# Altium PCB CM3_IO_V1.3_20220317.PcbDoc (part 5 of 7) (continued)
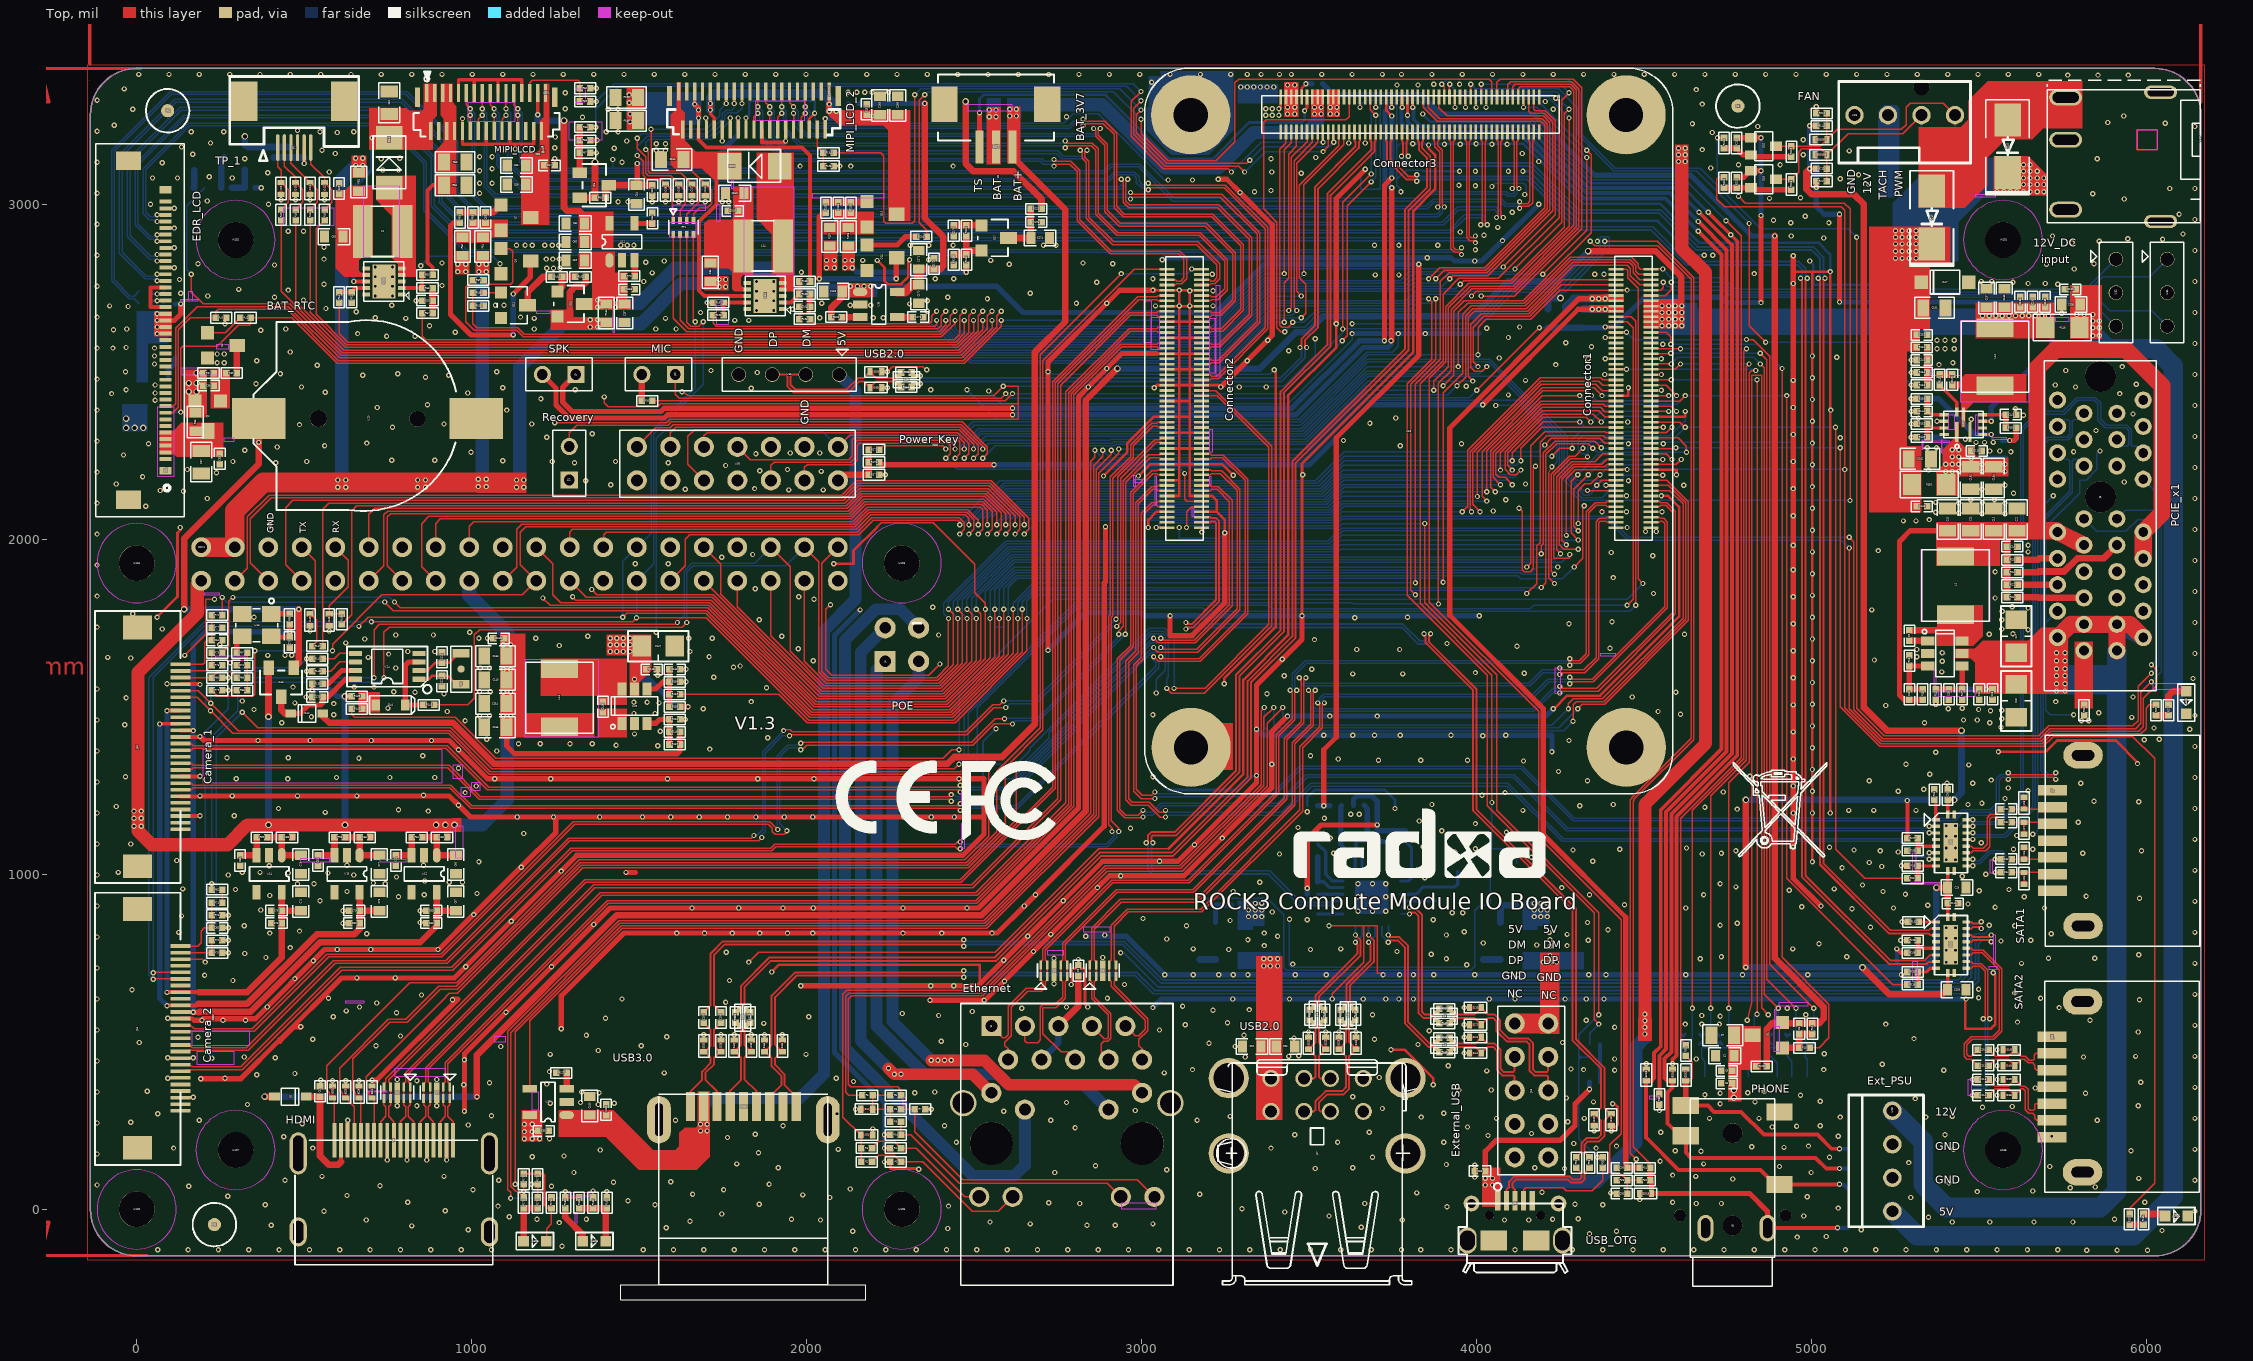
[diagram p0: Top view]
## Nets (pads, with @x,y where several pads share a name; then routed paths per layer and width w, separated by ;. In a path a pad name is that pad's centre, name@x,y a point inside that pad or via, vN(x,y) a via of type N, cw(c..) or ccw(c..) an arc to the next point about the centre after c; other vN are vias at no path point) (continued)
PHY1_LED1_G: D3.2 R2.2 R3.1 U33.17 | length 4224.6
  Top w3.94: R2.2@2163.39,141.73 R3.1@2163.39,183.07 2163.39,220.47 D3.2@2161.42,222.44 2108.27,275.59 2108.27,641.73 2120.08,653.54 2519.07,653.54 2891.11,1025.59 3113.98,1025.59 3356.3,1267.91 3356.3,1488.19 v1(3366.14,1498.03) ; v1(4287.4,1456.69) 4287.4,1505.91 4297.24,1515.75 4378.63,1515.75 4624.02,1761.14 4624.02,2108.94 4572.13,2160.83 U33.17@4520.47,2160.83
  Bottom w3.94: v1(3366.14,1498.03) 3366.14,1438.98 3375.98,1429.13 4259.84,1429.13 v1(4287.4,1456.69)
PHY1_LED2_Y: R5.1 U33.15 | length 4039
  Top w3.94: R5.1@2281.5,340.55 2281.5,356.3 2271.65,366.14 2131.89,366.14 2124.02,374.02 2124.02,627.95 2133.86,637.8 2525.59,637.8 2897.64,1009.84 3120.5,1009.84 3374.02,1263.36 3374.02,1450.79 v1(3421.26,1498.03) ; v1(4273.62,1494.09) 4273.62,1509.84 4287.4,1523.62 4375.37,1523.62 4616.14,1764.4 4616.14,2105.68 4576.74,2145.08 U33.15@4520.47,2145.08
  Bottom w3.94: v1(3421.26,1498.03) 3421.26,1454.72 3431.1,1444.88 4224.41,1444.88 v1(4273.62,1494.09)
PHY1_MDI0+: J3.1 U5.1 U5.10 U33.12 | length 3097.2
  Top w3.94: J3.1@2551.18,547.24 2585.87,512.56 2593.26,512.56 2602.36,521.65 2602.36,605.96 2655.85,659.45 2696.2,659.45 2704.73,667.97 2704.73,680.12 2698.82,686.03 U5.1@2698.82,695.38 U5.10@2698.82,729.82 2698.82,739.17 2704.73,745.08 2704.73,776.88 2910.12,982.28 3138.47,982.28 3401.57,1245.39 3401.57,1416.98 3448.82,1464.23 3448.82,1543.31 v1(3442.91,1549.21) ; v1(4277.56,1643.7) 4283.46,1637.8 4305.79,1637.8 4326.77,1658.77 4326.77,2082.34 4354.08,2109.65 4385.83,2109.65 4389.76,2113.58 U33.12@4415.75,2113.58
  Bottom w3.94: v1(3442.91,1549.21) 3448.82,1555.12 3448.82,1598.43 3488.19,1637.8 4271.65,1637.8 v1(4277.56,1643.7)
PHY1_MDI0-: J3.2 U5.2 U5.9 U33.10 | length 3100.6
  Top w3.94: J3.2@2601.18,447.24 2601.18,479.21 2591.49,488.9 2591.49,498.97 2610.24,517.72 2610.24,602.7 2659.11,651.57 2699.47,651.57 2712.6,664.71 2712.6,680.12 2718.51,686.03 U5.2@2718.51,695.38 U5.9@2718.51,729.82 2718.51,739.17 2712.6,745.08 2712.6,773.62 2913.39,974.41 3141.73,974.41 3409.45,1242.13 3409.45,1413.72 3456.69,1460.97 3456.69,1543.31 v1(3462.6,1549.21) ; v1(4277.56,1624.02) 4283.46,1629.92 4309.06,1629.92 4334.65,1655.51 4334.65,2079.08 4357.34,2101.77 4385.83,2101.77 4389.76,2097.83 U33.10@4415.75,2097.83
  Bottom w3.94: v1(3462.6,1549.21) 3456.69,1555.12 3456.69,1594.49 3492.13,1629.92 4271.65,1629.92 v1(4277.56,1624.02)
PHY1_MDI1+: J3.3 U5.4 U5.7 U33.4 | length 3070.2
  Top w3.94: J3.3@2651.18,547.24 2651.18,503.94 2657.09,498.03 2688.98,498.03 2696.85,505.91 2696.85,603.99 2703.09,610.24 2740.83,610.24 2763.78,633.18 2763.78,658.99 2763.78,680.12 2757.87,686.03 U5.4@2757.87,695.38 U5.7@2757.87,729.82 2757.87,739.17 2763.78,745.08 2763.78,794.6 2886.66,917.48 2923.9,954.72 3152.25,954.72 3425.2,1227.67 3425.2,1381.55 3425.2,1404.84 3476.38,1456.02 3476.38,1580.71 v1(3470.47,1586.61) ; v1(4248.03,1596.46) 4253.94,1602.36 4322.83,1602.36 4364.17,1643.7 4364.17,2049.55 4369.15,2054.53 4385.83,2054.53 4389.76,2050.59 U33.4@4415.75,2050.59
  Bottom w3.94: v1(3470.47,1586.61) 3476.38,1580.71 3476.38,1570.87 3484.25,1562.99 4159.45,1562.99 4198.82,1602.36 4242.13,1602.36 v1(4248.03,1596.46)
PHY1_MDI1-: J3.6 U5.5 U5.6 U33.6 | length 3071.7
  Top w3.94: J3.6@2801.18,447.24 2778.58,469.85 2759.72,469.85 2704.72,524.84 2704.72,600.73 2706.36,602.36 2744.09,602.36 2771.65,629.92 2771.65,680.12 2777.56,686.03 U5.5@2777.56,695.38 U5.6@2777.56,729.82 2777.56,739.17 2771.65,745.08 2771.65,791.34 2927.17,946.85 3155.51,946.85 3433.07,1224.41 3433.07,1401.57 3484.25,1452.76 3484.25,1580.71 v1(3490.16,1586.61) ; v1(4248.03,1616.14) 4253.94,1610.24 4319.57,1610.24 4356.3,1646.96 4356.3,2052.81 4365.89,2062.4 4385.83,2062.4 4389.76,2066.34 U33.6@4415.75,2066.34
  Bottom w3.94: v1(3490.16,1586.61) 3484.25,1580.71 3484.25,1574.8 3488.19,1570.87 4155.51,1570.87 4194.88,1610.24 4242.13,1610.24 v1(4248.03,1616.14)
PHY1_MDI2+: J3.7 U6.1 U6.10 U33.11 | length 3197
  Top w3.94: J3.7@2851.18,547.24 2888.58,509.84 2895.67,509.84 2899.61,513.78 2899.61,580.71 2850.4,629.92 2850.4,680.12 2844.49,686.03 U6.1@2844.49,695.38 U6.10@2844.49,729.82 2844.49,739.17 2850.4,745.08 2850.4,839.88 2935.72,925.2 3164.06,925.2 3448.82,1209.95 3448.82,1346.12 3448.82,1393.03 3503.94,1448.14 3503.94,1543.31 v1(3498.03,1549.21) ; v1(4248.03,1541.34) 4253.94,1547.24 4362.2,1547.24 4592.52,1777.56 4592.52,2084.65 4567.52,2109.65 4549.21,2109.65 4545.28,2113.58 U33.11@4520.47,2113.58
  Bottom w3.94: v1(3498.03,1549.21) 3503.94,1543.31 3503.94,1498.03 3515.75,1486.22 4159.45,1486.22 4170.58,1486.22 4231.61,1547.24 4242.13,1547.24 v1(4248.03,1541.34)
PHY1_MDI2-: J3.8 U6.2 U6.9 U33.9 | length 3187
  Top w3.94: J3.8@2901.18,447.24 2878.58,469.85 2878.58,494.07 2886.47,501.97 2898.93,501.97 2907.48,510.52 2907.48,580.71 2907.48,583.97 2858.27,633.18 2858.27,680.12 2864.18,686.03 U6.2@2864.18,695.38 U6.9@2864.18,729.82 2864.18,739.17 2858.27,745.08 2858.27,836.61 2938.98,917.32 3167.32,917.32 3456.69,1206.69 3456.69,1389.76 3511.81,1444.88 3511.81,1543.31 v1(3517.72,1549.21) ; v1(4248.03,1561.02) 4253.94,1555.12 4358.94,1555.12 4584.65,1780.82 4584.65,2081.38 4564.26,2101.77 4549.21,2101.77 4545.28,2097.83 U33.9@4520.47,2097.83
  Bottom w3.94: v1(3517.72,1549.21) 3511.81,1543.31 3511.81,1501.97 3519.69,1494.09 4167.32,1494.09 4228.35,1555.12 4242.13,1555.12 v1(4248.03,1561.02)
PHY1_MDI3+: J3.9 U6.4 U6.7 U33.3 | length 2947.8
  Top w3.94: J3.9@2951.18,547.24 2980.71,517.72 2990.5,517.72 3009.84,537.06 3009.84,565.3 2909.45,665.69 2909.45,680.12 2903.54,686.03 U6.4@2903.54,695.38 U6.7@2903.54,729.82 2903.54,739.17 2909.45,745.08 2909.45,848.43 2956.69,895.67 3175.87,895.67 3472.44,1192.24 3472.44,1381.21 3531.5,1440.27 3531.5,1505.91 v1(3525.59,1511.81) ; v1(4277.56,1588.58) 4283.46,1582.68 4345.16,1582.68 4561.02,1798.54 4561.02,2047.92 4554.42,2054.53 4549.21,2054.53 4545.28,2050.59 U33.3@4520.47,2050.59
  Bottom w3.94: v1(3525.59,1511.81) 3531.5,1517.72 3531.5,1527.56 3541.34,1537.4 4167.32,1537.4 4212.6,1582.68 4271.65,1582.68 v1(4277.56,1588.58)
PHY1_MDI3-: J3.10 U6.5 U6.6 U33.5 | length 2986.1
  Top w3.94: J3.10@3001.18,447.24 3001.18,479.21 2991.49,488.9 2991.49,507.58 3017.72,533.8 3017.72,568.56 2917.32,668.96 2917.32,680.12 2923.23,686.03 U6.5@2923.23,695.38 U6.6@2923.23,729.82 2923.23,739.17 2917.32,745.08 2917.32,845.13 2960.29,887.8 3179.13,887.8 3480.31,1188.98 3480.31,1377.95 3539.37,1437.01 3539.37,1505.91 v1(3545.28,1511.81) ; v1(4277.56,1568.9) 4283.46,1574.8 4348.43,1574.8 4568.9,1795.28 4568.9,2051.18 4557.68,2062.4 4549.21,2062.4 4545.28,2066.34 U33.5@4520.47,2066.34
  Bottom w3.94: v1(3545.28,1511.81) 3539.37,1517.72 3539.37,1523.62 3545.28,1529.53 4171.26,1529.53 4216.54,1574.8 4271.65,1574.8 v1(4277.56,1568.9)
PI_NLED_ACTIVITY: R183.2 U33.21 | length 5900.7
  Top w3.94: v1(1116.14,33.46) 1116.14,50.63 1108.27,58.51 1108.27,531.24 1439.23,862.2 2528.34,862.2 2848.43,1182.29 2848.43,2233.57 2860.24,2245.38 v1(2860.24,2265.75) ; R183.2@1362.2,35.43 v1(1362.2,55.12) ; U33.21@4520.47,2192.32 4521.06,2190.94 v1(4555.12,2190.94)
  Bottom w3.94: v1(1116.14,33.46) 1340.55,33.46 v1(1362.2,55.12) ; v1(2860.24,2265.75) 2889.76,2236.22 3494.19,2236.22 3673.33,2415.35 4127.28,2415.35 4246.06,2296.57 4246.06,2191.62 4313.67,2124.02 4375,2124.02 4441.93,2190.94 v1(4555.12,2190.94)
PMIC_RESET_KEY: R142.1 U33.100 | length 5229.8
  Top w3.94: R142.1@641.73,1494.09 641.73,1478.35 651.57,1468.5 950.47,1468.5 1072.52,1346.46 2407.48,1346.46 2433.07,1372.05 v1(2454.72,1372.05) ; U33.100@4415.75,2806.5 4446.85,2806.5 4450.79,2802.56 4450.79,2781.5 4482.28,2750 4482.28,1881.89 v1(4496.06,1868.11)
  Bottom w3.94: v1(2454.72,1372.05) 2454.72,1541.28 2734.31,1820.87 4448.82,1820.87 v1(4496.06,1868.11)
PMW0_M0: CON1.13 U33.48 | length 4196.7
  Top w3.94: CON1.13@792.91,1876.38 748.03,1921.26 748.03,2066.93 757.87,2076.77 2127.16,2076.77 2170.47,2120.08 2528.35,2120.08 2566.93,2081.5 v1(2566.93,2043.31) ; v1(4070.87,2163.39) 4049.21,2185.04 4049.21,2259.84 4192.91,2403.54 4377.36,2403.54 4383.86,2397.05 U33.48@4415.75,2397.05
  Bottom w3.94: v1(2566.93,2043.31) 2566.93,2051.18 2627.95,2112.2 3549.39,2112.2 3600.57,2163.39 v1(4070.87,2163.39)
PMW0_M1: CON1.11 R214.2 U33.50 | length 6808.5
  Top w3.94: CON1.11@692.91,1876.38 738.19,1921.65 738.19,2072.83 750,2084.65 2123.9,2084.65 2167.21,2127.95 2531.61,2127.95 2580.71,2078.86 2580.71,2029.53 v1(2566.93,2015.75) ; v1(4055.12,2141.73) 4041.34,2155.51 4041.34,2263.78 4190.35,2412.8 U33.50@4415.75,2412.8 ; v1(4718.5,3198.82) R214.2@4738.19,3198.82 ; v1(4781.5,3023.62) 4801.18,3003.94 5096.46,3003.94 5114.17,2986.22 v1(5114.17,2116.14)
  Bottom w3.94: v1(2566.93,2015.75) 2580.71,2029.53 2580.71,2053.83 2631.21,2104.33 3552.65,2104.33 3603.83,2155.51 4041.34,2155.51 v1(4055.12,2141.73) 4281.5,2141.73 4307.09,2116.14 v1(5114.17,2116.14) ; v1(4718.5,3198.82) 4718.5,3086.61 v1(4781.5,3023.62)
PMW4: CON1.15 U33.46 | length 4208.7
  Top w3.94: CON1.15@892.91,1876.38 850.39,1918.9 850.39,2047.24 872.05,2068.9 2130.42,2068.9 2173.73,2112.2 2525.09,2112.2 2553.15,2084.14 2553.15,2029.53 v1(2539.37,2015.75) ; v1(4106.3,2163.39) 4084.65,2185.04 4066.93,2185.04 4057.09,2194.88 4057.09,2255.91 4194.88,2393.7 4369.49,2393.7 4381.89,2381.3 U33.46@4415.75,2381.3
  Bottom w3.94: v1(2539.37,2015.75) 2553.15,2029.53 2553.15,2065.75 2607.48,2120.08 3546.12,2120.08 3603.21,2177.17 4092.52,2177.17 v1(4106.3,2163.39)
PWDN_1: J14.2 R73.1 R76.2 | length 137.7
  Top w3.94: J14.2@131.1,1607.09 207.48,1607.09 R76.2@224.41,1624.02 R73.1@224.41,1661.42
PWDN_2: J15.2 R71.1 R75.2 | length 131
  Top w3.94: J15.2@131.1,766.53 223.62,766.53 R75.2@224.41,765.75 R71.1@224.41,803.15
PWM3_IR: CON1.37 R29.2 R215.2 U33.24 | length 6886.6
  Top w3.94: CON1.37@1992.91,1876.38 1992.91,1635.83 2057.87,1570.87 2393.99,1570.87 2450.79,1627.66 v1(2450.79,1763.78) ; v1(4267.72,2011.81) 4267.72,2181.1 4294.69,2208.07 U33.24@4415.75,2208.07 4416.34,2208.66 v1(4448.82,2208.66) ; R215.2@4738.19,3080.71 4722.44,3080.71 4716.54,3074.8 4716.54,3015.75 4740.16,2992.13 5088.58,2992.13 5098.43,2982.28 v1(5098.43,2208.66) 5098.43,1497.36 5206.02,1389.76 5687.68,1389.76 5717.21,1419.29 5982.28,1419.29 5998.03,1435.04 5998.03,1496.06 6007.87,1505.91 R29.2@6027.56,1505.91
  Bottom w3.94: v1(2450.79,1763.78) 2437.01,1777.56 2437.01,1814.34 2601.01,1978.35 3563.67,1978.35 3597.13,2011.81 v1(4267.72,2011.81) ; v1(4448.82,2208.66) v1(5098.43,2208.66)
PWM11: CON1.32 R137.2 U33.31 | length 7515.3
  Top w3.94: CON1.32@1692.91,1976.38 1744.09,1925.2 1744.09,1836.9 2041.62,1539.37 2407.04,1539.37 2505.91,1638.24 v1(2505.91,1763.78) ; v1(4192.91,1956.69) 4192.91,1980.31 4198.82,1986.22 4198.82,2257.87 4234.25,2293.31 4352.36,2293.31 v1(4372.05,2273.62) ; U33.31@4520.47,2271.06 4591.93,2271.06 v1(4594.49,2273.62) ; v1(5084.65,2273.62) 5084.65,1500 5202.76,1381.89 5690.94,1381.89 5720.47,1411.42 5958.66,1411.42 6023.62,1346.46 6023.62,78.74 5948.82,3.94 R137.2@5948.82,-13.78
  Bottom w3.94: v1(2505.91,1763.78) 2492.13,1777.56 2492.13,1824.92 2614.06,1946.85 4183.07,1946.85 v1(4192.91,1956.69) ; v1(4372.05,2273.62) 4374.02,2271.65 4592.52,2271.65 v1(4594.49,2273.62) v1(5084.65,2273.62)
PWRON_KEY: R143.1 U30.14 U32.1 U33.99 | length 6296.6
  Top w3.94: R143.1@887.8,1505.91 988.19,1505.91 1007.87,1525.59 1007.87,1714.57 1023.62,1730.31 1543.31,1730.31 v1(1551.18,1722.44) ; U30.14@2093.31,2275.98 2128.35,2311.02 2448.26,2311.02 2470.47,2288.81 v1(2470.47,2269.68) ; v1(3944.88,2515.75) 3944.88,2677.17 3972.44,2704.72 4141.79,2704.72 4279.59,2842.52 4462.6,2842.52 4482.28,2822.83 4482.28,2812.4 4488.19,2806.5 U33.99@4520.47,2806.5 4521.06,2807.09 v1(4555.12,2807.09)
  Bottom w3.94: v1(1551.18,1722.44) 1551.18,2301.18 1572.83,2322.83 2046.46,2322.83 U30.14@2093.31,2275.98 ; v1(2470.47,2269.68) 2469.42,2270.74 2476.38,2277.7 2476.38,2280.82 2518.39,2322.83 3479.76,2322.83 3672.67,2515.75 v1(3944.88,2515.75) ; v1(4555.12,2807.09) 4580.71,2781.5 4736.22,2781.5 4771.65,2746.06 5817.72,2746.06 U32.1@5907.87,2836.22
RESET_1: C64.1 J14.1 R72.1 R77.2 | length 232.5
  Top w3.94: J14.1@131.1,1626.78 197.64,1626.78 202.76,1631.89 202.76,1690.94 210.63,1698.82 C64.1@224.41,1698.82 R77.2@224.41,1736.22 R72.1@224.41,1773.62
RESET_2: C65.1 J15.1 R74.1 R78.2 | length 211.4
  Top w3.94: J15.1@131.1,786.22 183.07,786.22 192.12,795.28 192.12,830.71 201.96,840.55 C65.1@224.41,840.55 R78.2@224.41,877.95 R74.1@224.41,915.35
RTC_BATTERY: D43.1 TP8.1 U23.1 | length 1207
  Top w19.68: v2(141.73,1791.34) 141.73,2001.97 364.25,2224.49 v1(364.25,2289.37) U23.1@364.25,2360.24 ; D43.1@468.5,1616.14 484.25,1631.89 v1(484.25,1791.34)
  Bottom w18.5: TP8.1@364.17,2311.02 364.17,2289.45 v1(364.25,2289.37)
  Bottom w19.68: v2(141.73,1791.34) v1(484.25,1791.34)
RTCIC_32KOUT: R138.1 U24.7 | length 114.8
  Top w15.75: R138.1@555.12,1568.9 555.23,1569.01 572.95,1569.01 612.32,1608.38 U24.7@653.53,1608.38
RUN_PG: R172.2 U32.3 U33.92 | length 3989.9
  Top w3.94: R172.2@2216.54,2267.72 2228.35,2279.53 2405.51,2279.53 v1(2415.35,2269.68) ; v1(4003.94,2551.18) 4003.94,2633.86 4027.56,2657.48 4161.42,2657.48 4247.44,2743.5 U33.92@4415.75,2743.5 4416.34,2744.09 v1(4448.82,2744.09)
  Bottom w3.94: v1(2415.35,2269.68) 2496.06,2350.39 3473.91,2350.39 3674.7,2551.18 v1(4003.94,2551.18) ; v1(4448.82,2744.09) 4740.22,2744.09 4761.87,2722.44 5821.65,2722.44 U32.3@5907.87,2636.22
SARADC_IN3: CON1.26 U33.37 | length 3537
  Top w3.94: CON1.26@1392.91,1976.38 1393.7,1976.38 1393.7,2013.78 1401.57,2021.65 2151.57,2021.65 2194.88,2064.96 2454.72,2064.96 2470.47,2049.21 2470.47,2029.53 v1(2456.69,2015.75) ; v1(4224.41,2248.03) 4248.03,2271.65 v1(4285.43,2271.65) ; U33.37@4520.47,2318.31 4566.34,2318.31 v1(4582.68,2334.65)
  Bottom w3.94: v1(2456.69,2015.75) 2470.47,2029.53 2470.47,2049.89 2587.91,2167.32 3523.62,2167.32 3604.33,2248.03 v1(4224.41,2248.03) ; v1(4285.43,2271.65) 4285.43,2299.21 4307.09,2320.87 4568.9,2320.87 v1(4582.68,2334.65)
SARADC_VIN0_KEY/RECOVERY: J22.2 J24.26 | length 4274.7
  Top w3.94: J22.2@1291.34,2277.17 1291.34,2318.9 1312.99,2340.55 1586.61,2340.55 1596.46,2350.39 2464.57,2350.39 2539.37,2275.59 2539.37,2255.91 v1(2525.59,2242.13) ; v1(3899.61,2458.66) 3931.1,2490.16 3931.1,2681.1 3962.6,2712.6 4138.53,2712.6 4276.32,2850.39 4277.56,2850.39 4342.52,2915.35 4342.52,3147.64 v1(4328.74,3161.42) ; J24.26@3997.44,3320.08 3998.03,3319.49 v1(3998.03,3289.37)
  Bottom w3.94: v1(2525.59,2242.13) 2562.99,2279.53 2918.62,2279.53 2922.56,2283.46 3496.44,2283.46 3671.63,2458.66 v1(3899.61,2458.66) ; v1(3998.03,3289.37) 3998.03,3303.15 4007.87,3312.99 4177.17,3312.99 v1(4328.74,3161.42)
SARADC_VIN1_HW_ID: J24.28 R153.1 | length 2007.3
  Top w3.94: J24.28@3981.69,3320.08 3981.69,3357.68 v1(3982.28,3358.27) ; v1(4812.99,2942.91) 4812.99,2637.8 v1(4862.2,2588.58) ; v1(5297.24,2460.63) R153.1@5312.99,2460.63
  Bottom w3.94: v1(3982.28,3358.27) 3996.06,3344.49 4244.09,3344.49 4301.18,3287.4 4301.18,3208.66 4409.45,3100.39 4655.51,3100.39 v1(4812.99,2942.91) ; v1(4862.2,2588.58) 5240.16,2588.58 5277.56,2551.18 5277.56,2480.31 v1(5297.24,2460.63)
SARADC_VIN2_HP_HOOK: C35.1 J24.30 R32.1 R33.2 | length 4177.7
  Top w3.94: J24.30@3965.94,3320.08 3966.54,3319.49 v1(3966.54,3289.37) ; v1(4275.59,3257.87) 4275.59,2934.31 4105.06,2763.78 3976.38,2763.78 3907.48,2694.88 3907.48,2529.53 3858.27,2480.31 3858.27,1812.99 4185.04,1486.22 4185.04,1110.24 4431.1,864.17 4431.1,226.38 4397.64,192.91 4397.64,110.24 4401.57,106.3 4429.13,106.3 R33.2@4448.82,86.61 ; C35.1@4448.82,47.24 R33.2@4448.82,86.61 ; R32.1@4486.22,86.61 R33.2@4448.82,86.61
  Bottom w3.94: v1(3966.54,3289.37) 3966.54,3312.99 3974.41,3320.87 4212.6,3320.87 v1(4275.59,3257.87)
SATA1_ACT_LED: R27.1 R29.1 | length 37.4
  Top w19.68: R29.1@6027.56,1474.41 R27.1@6064.96,1474.41
SATA1_RXN: C33.1 U8.11 | length 203.4
  Top w3.94: U8.11@5461.02,1025.2 5461.42,1025.59 v1(5480.31,1025.59) ; v1(5547.24,1045.28) C33.1@5564.96,1045.28
  Bottom w3.94: v1(5480.31,1025.59) 5486.22,1031.5 5501.97,1031.5 5533.46,1062.99 5562.99,1062.99 5570.87,1055.12 5570.87,1037.4 5562.99,1029.53 5553.15,1029.53 5547.24,1035.43 v1(5547.24,1045.28)
SATA1_RXP: C34.1 U8.12 | length 230.2
  Top w3.94: U8.12@5461.02,1044.88 5461.42,1045.28 v1(5480.31,1045.28) ; v1(5547.24,1005.91) C34.1@5564.96,1005.91
  Bottom w3.94: v1(5480.31,1045.28) 5486.22,1039.37 5498.03,1039.37 5529.53,1070.87 5566.93,1070.87 5578.74,1059.06 5578.74,1033.46 5566.93,1021.65 5553.15,1021.65 5547.24,1015.75 v1(5547.24,1005.91)
SATA1_TXN: C32.1 U8.13 | length 203.1
  Top w3.94: U8.13@5461.02,1064.57 5461.42,1064.96 5476.38,1064.96 5482.28,1070.87 5519.69,1070.87 5531.5,1082.68 5531.5,1165.35 5537.4,1171.26 5549.21,1171.26 C32.1@5564.96,1155.51
SATA1_TXP: C31.1 U8.14 | length 200.8
  Top w3.94: U8.14@5461.02,1084.25 5461.42,1084.65 5476.38,1084.65 5482.28,1078.74 5511.81,1078.74 5523.62,1090.55 5523.62,1169.29 5533.46,1179.13 5549.21,1179.13 C31.1@5564.96,1194.88
SATA2_ACT_LED: R131.1 R137.1 | length 41.3
  Top w19.68: R137.1@5948.82,-45.28 R131.1@5990.16,-45.28
SATA2_RXN: C113.1 U22.11 | length 477.8
  Top w3.94: U22.11@5461.02,720.08 5476.38,720.08 5482.28,725.98 5502.64,725.98 5517.72,710.91 5517.72,586.61 5517.72,574.8 v1(5511.81,568.9) ; v1(5480.31,387.8) C113.1@5496.06,387.8
  Bottom w3.94: v1(5480.31,387.8) 5480.31,375.98 5488.19,368.11 5511.81,368.11 5517.72,374.02 5517.72,562.99 v1(5511.81,568.9)
SATA2_RXP: C114.1 U22.12 | length 506.6
  Top w3.94: U22.12@5461.02,739.76 5476.38,739.76 5482.28,733.86 5505.91,733.86 5525.59,714.17 5525.59,574.8 v1(5531.5,568.9) ; v1(5480.31,340.55) C114.1@5496.06,340.55
  Bottom w3.94: v1(5480.31,340.55) 5480.31,356.3 5484.25,360.24 5515.75,360.24 5525.59,370.08 5525.59,562.99 v1(5531.5,568.9)
SATA2_TXN: C112.1 U22.13 | length 512.8
  Top w3.94: U22.13@5461.02,759.45 5476.38,759.45 5482.28,765.35 5508.55,765.35 5559.06,714.85 5559.06,534.76 5540.05,515.75 5476.38,515.75 5454.72,494.09 5454.72,456.69 5462.6,448.82 5476.38,448.82 C112.1@5496.06,429.13
SATA2_TXP: C110.1 U22.14 | length 511.3
  Top w3.94: U22.14@5461.02,779.13 5476.38,779.13 5482.28,773.23 5511.81,773.23 5566.93,718.11 5566.93,531.5 5543.31,507.87 5479.64,507.87 5462.6,490.83 5462.6,462.6 5468.5,456.69 5476.38,456.69 C110.1@5496.06,476.38
SDMMC0_CLK: R11.1 U33.57 | length 2282.2
  Top w3.94: U33.57@4520.47,2475.79 4521.06,2476.38 v1(4580.71,2476.38) ; v1(4836.61,582.68) v1(4836.61,2476.38)
  Bottom w3.94: v1(4580.71,2476.38) v1(4836.61,2476.38) ; R11.1@4828.74,513.78 4828.74,574.8 v1(4836.61,582.68)
SDMMC0_CMD: CN14A1.3 ED13.1 U33.62 | length 2590.1
  Top w3.94: U33.62@4415.75,2507.28 4416.34,2507.87 v1(4446.85,2507.87) ; v1(4751.97,600.39) 4751.97,1273.62 4812.99,1334.65 4812.99,2498.03 4818.9,2503.94 v1(4832.68,2503.94)
  Bottom w3.94: v1(4446.85,2507.87) 4828.74,2507.87 v1(4832.68,2503.94) ; CN14A1.3@4724.41,395.89 4726.38,397.86 ED13.1@4726.38,482.87 4744.09,482.87 4751.97,490.75 v1(4751.97,600.39)
SDMMC0_D0: CN14A1.7 ED11.1 U33.63 | length 2523
  Top w3.94: U33.63@4520.47,2523.03 4521.06,2523.62 v1(4580.71,2523.62) ; v1(4846.46,2523.62) 4858.27,2511.81 4858.27,641.73 v1(4899.61,600.39)
  Bottom w3.94: v1(4580.71,2523.62) 4600.39,2543.31 4826.77,2543.31 v1(4846.46,2523.62) ; CN14A1.7@4897.64,395.89 4897.64,437.01 4874.02,460.63 ED11.1@4874.02,482.87 4891.73,482.87 4899.61,490.75 v1(4899.61,600.39)
SDMMC0_D1: CN14A1.8 ED10.1 U33.67 | length 2555
  Top w3.94: U33.67@4520.47,2554.53 4578.15,2554.53 v1(4578.74,2555.12) ; v1(4846.46,2555.12) 4866.14,2535.43 4866.14,687.01 v1(4952.76,600.39)
  Bottom w3.94: v1(4578.74,2555.12) v1(4846.46,2555.12) ; CN14A1.8@4940.94,395.89 4940.94,442.91 4927.17,456.69 ED10.1@4927.17,482.87 4942.91,482.87 4952.76,492.72 v1(4952.76,600.39)
SDMMC0_D2/ARMJTAG_TCK: CN14A1.1 ED15.1 U33.69 | length 2545.8
  Top w3.94: U33.69@4520.47,2570.28 4521.06,2568.9 v1(4608.27,2568.9) ; v1(4643.7,600.39) 4643.7,1190.94 4797.24,1344.49 4797.24,2561.02 v1(4805.12,2568.9)
  Bottom w3.94: v1(4608.27,2568.9) v1(4805.12,2568.9) ; CN14A1.1@4637.8,395.89 4637.79,433.07 4616.14,454.72 ED15.1@4616.14,482.87 4643.7,510.43 v1(4643.7,600.39)
SDMMC0_D3/ARMJTAG_TMS: CN14A1.2 ED14.1 U33.61 | length 2501.3
  Top w3.94: U33.61@4520.47,2507.28 4591.93,2507.28 v1(4608.27,2523.62) ; v1(4698.82,600.39) 4698.82,1234.25 4805.12,1340.55 4805.12,2515.75 v1(4812.99,2523.62)
  Bottom w3.94: v1(4608.27,2523.62) v1(4812.99,2523.62) ; CN14A1.2@4681.1,395.89 4681.1,442.91 4671.26,452.76 ED14.1@4671.26,482.87 4690.94,482.87 4698.82,490.75 v1(4698.82,600.39)
SDMMC0_DET_L: CN14A1.9 ED9.1 U33.76 | length 2720.4
  Top w3.94: U33.76@4415.75,2617.52 4416.34,2618.11 v1(4446.85,2618.11) ; v1(4805.12,2596.46) 4824.8,2596.46 4874.02,2547.24 4874.02,732.28 v1(5005.91,600.39)
  Bottom w3.94: v1(4446.85,2618.11) 4468.5,2596.46 v1(4805.12,2596.46) ; CN14A1.9@4984.25,395.89 4986.22,397.86 4986.22,448.82 4980.31,454.72 ED9.1@4980.31,482.87 5001.97,482.87 5005.91,486.81 v1(5005.91,600.39)
SDMMC_PWREN: R13.2 U33.75 | length 2573.5
  Top w3.94: U33.75@4520.47,2617.52 4565.55,2617.52 4578.74,2604.33 v1(4578.74,2582.68) ; v1(4911.42,2509.84) 4911.42,751.97 5051.18,612.2 5051.18,511.81 5021.65,482.28 R13.2@4994.09,482.28
  Bottom w3.94: v1(4578.74,2582.68) 4838.58,2582.68 v1(4911.42,2509.84)
SPI0_CSO_MO: CON1.33 U33.28 | length 3450.6
  Top w3.94: CON1.33@1792.91,1876.38 1792.91,1799.21 2044.88,1547.24 2403.78,1547.24 2492.13,1635.59 2492.13,1777.56 v1(2478.35,1791.34) ; v1(4303.15,1970.47) 4259.84,1970.47 4246.06,1984.25 4246.06,2183.07 4287.4,2224.41 4372.64,2224.41 4387.8,2239.57 U33.28@4415.75,2239.57
  Bottom w3.94: v1(2478.35,1791.34) 2478.35,1822.27 2610.8,1954.72 3576.77,1954.72 3592.52,1970.47 v1(4303.15,1970.47)
SPI0_MISO_MO: CON1.31 U33.30 | length 3446
  Top w3.94: CON1.31@1692.91,1876.38 2037.8,1531.5 2410.3,1531.5 2519.69,1640.88 2519.69,1777.56 v1(2505.91,1791.34) ; v1(4250,1956.69) 4238.19,1968.5 4238.19,2187.01 4283.46,2232.28 4352.36,2232.28 4375.39,2255.31 U33.30@4415.75,2255.31
  Bottom w3.94: v1(2505.91,1791.34) 2505.91,1827.56 2617.32,1938.98 4232.28,1938.98 v1(4250,1956.69)
SPI3_CLK_M0: CON1.23 U33.38 | length 3929.4
  Top w3.94: CON1.23@1292.91,1876.38 1342.52,1826.77 1717.71,1826.77 2028.74,1515.75 2416.82,1515.75 2547.24,1646.17 v1(2547.24,1763.78) ; v1(4149.61,1917.32) 4161.42,1929.13 4161.42,2279.53 4202.76,2320.87 4383.27,2320.87 4385.83,2318.31 U33.38@4415.75,2318.31
  Bottom w3.94: v1(2547.24,1763.78) 2547.24,1846.63 2617.94,1917.32 v1(4149.61,1917.32)
SPI3_CSO_M0: CON1.24 U33.39 | length 3543.9
  Top w3.94: CON1.24@1292.91,1976.38 1292.91,2021.65 1300.79,2029.53 2147.64,2029.53 2190.94,2072.83 2473.79,2072.83 2484.25,2062.37 v1(2484.25,2043.31) ; v1(4106.3,2234.25) 4106.3,2257.87 4198.82,2350.39 v1(4307.09,2350.39) ; U33.39@4520.47,2334.06 4521.06,2334.65 v1(4557.09,2334.65)
  Bottom w3.94: v1(2484.25,2043.31) 2484.25,2052.53 2591.17,2159.45 3529.53,2159.45 3604.33,2234.25 v1(4106.3,2234.25) ; v1(4307.09,2350.39) 4322.83,2334.65 v1(4557.09,2334.65)
SPI3_MISO_M0: CON1.21 R79.2 U33.40 | length 4906.7
  Top w3.94: R79.2@224.41,1549.21 242.13,1531.5 346.46,1531.5 352.36,1537.4 v1(352.36,1667.32) ; v1(584.65,1667.32) 584.65,1687.01 732.28,1834.65 1151.18,1834.65 CON1.21@1192.91,1876.38 1145.67,1923.62 1145.67,2021.65 1161.42,2037.4 2143.47,2037.4 2186.78,2080.71 2477.05,2080.71 2498.03,2059.73 2498.03,2029.53 v1(2484.25,2015.75) ; v1(4131.89,2234.25) 4131.89,2271.65 4194.29,2334.06 U33.40@4415.75,2334.06
  Bottom w3.94: v1(352.36,1667.32) v1(584.65,1667.32) ; v1(2484.25,2015.75) 2498.03,2029.53 2498.03,2055.18 2594.43,2151.57 3533.08,2151.57 3601.98,2220.47 4118.11,2220.47 v1(4131.89,2234.25)
SPI3_MOSI_M0: CON1.19 U33.44 | length 3690.8
  Top w3.94: CON1.19@1092.91,1876.38 1133.86,1917.32 1133.86,2029.53 1149.61,2045.28 2140.21,2045.28 2183.51,2088.58 2480.31,2088.58 2511.81,2057.09 v1(2511.81,2043.31) ; v1(4070.87,2206.69) 4070.87,2257.87 4076.77,2263.78 4076.77,2264.4 4196.23,2383.86 4363.58,2383.86 4381.89,2365.55 U33.44@4415.75,2365.55
  Bottom w3.94: v1(2511.81,2043.31) 2511.81,2057.82 2597.69,2143.7 3536.34,2143.7 3599.33,2206.69 v1(4070.87,2206.69)
SPKN_OUT: J9.2 J24.58 | length 3467.8
  Top w7.87: J24.58@3745.47,3320.08 3746.06,3319.49 v1(3746.06,3289.37)
  Top w15.75: J9.2@1211.02,2492.13 1251.97,2451.18 1251.97,2401.57 1291.34,2362.2 1574.8,2362.2 1584.65,2372.05 v1(2614.17,2372.05) ; v1(3744.09,2592.52) 3746.06,2592.52 v1(3746.06,3049.21)
  Bottom w15.75: v1(2614.17,2372.05) 3460.63,2372.05 3661.42,2572.83 3734.25,2572.83 3744.09,2582.68 v1(3744.09,2592.52) ; v1(3746.06,3049.21) 3726.38,3068.9 3726.38,3277.56 3738.19,3289.37 v1(3746.06,3289.37)
SPKP_OUT: J9.1 J24.60 | length 3393.9
  Top w7.87: J24.60@3729.72,3320.08 3729.72,3279.53 3730.31,3279.53 v1(3746.06,3263.78)
  Top w15.75: J9.1@1311.02,2492.13 1271.65,2452.76 1271.65,2409.73 1299.49,2381.89 1564.96,2381.89 1574.8,2391.73 v1(2614.17,2391.73) ; v1(3724.41,2592.52) 3724.41,3057.09 v1(3746.06,3078.74)
  Bottom w15.75: v1(2614.17,2391.73) 3448.82,2391.73 3649.61,2592.52 v1(3724.41,2592.52) ; v1(3746.06,3078.74) v1(3746.06,3263.78)
SYNC_IN: U30.8 U33.16 | length 3116.6
  Top w3.94: U30.8@1793.31,2275.98 1831.1,2238.19 2125.98,2238.19 2135.83,2248.03 2135.83,2297.24 2141.73,2303.15 2445,2303.15 2456.69,2291.45 2456.69,2255.91 v1(2442.91,2242.13) ; v1(4330.71,2145.67) 4415.16,2145.67 U33.16@4415.75,2145.08
  Bottom w3.94: v1(2442.91,2242.13) 2456.69,2255.91 2456.69,2275.39 2512.01,2330.71 3476.49,2330.71 3675.31,2529.53 4035.38,2529.53 4261.81,2303.09 4261.81,2201.66 4317.8,2145.67 v1(4330.71,2145.67)
SYNC_OUT: U30.9 U33.18 | length 2974.4
  Top w3.94: U30.9@1893.31,2175.98 1893.31,2220.47 1903.15,2230.31 2131.89,2230.31 2143.7,2242.13 2143.7,2287.4 2151.57,2295.28 2425.2,2295.28 2442.91,2277.56 v1(2442.91,2269.68) ; v1(4385.83,2161.42) 4415.16,2161.42 U33.18@4415.75,2160.83
  Bottom w3.94: v1(2442.91,2269.68) 2442.91,2283.46 2500,2340.55 3475.2,2340.55 3672.05,2537.4 4039.37,2537.4 4269.69,2307.09 4269.69,2204.92 4297.44,2177.17 4370.08,2177.17 v1(4385.83,2161.42)
TP_DET_1: J24.81 R66.1 | length 2554.3
  Top w3.94: R66.1@1354.33,3230.31 v1(1370.08,3230.31) ; v1(2998.03,3309.06) 2976.38,3287.4 2976.38,3208.66 3070.87,3114.17 3289.37,3114.17 v1(3307.09,3096.46) ; v1(3541.34,3157.48) 3556.5,3172.64 J24.81@3556.5,3216.14
  Bottom w3.94: v1(1370.08,3230.31) 1370.08,3283.46 1438.98,3352.36 2954.72,3352.36 v1(2998.03,3309.06) ; v1(3307.09,3096.46) 3368.11,3157.48 v1(3541.34,3157.48)
TP_INT_1: J24.87 RP1.7 | length 2868.8
  Top w3.94: RP1.7@1621.89,2910.6 1621.89,2653.7 1647.64,2627.95 2391.79,2627.95 2401.57,2637.74 2401.57,2667.32 v1(2415.35,2681.1) ; v1(3462.6,2683.07) 3454.72,2690.94 3454.72,3130.51 3509.25,3185.04 J24.87@3509.25,3216.14
  Bottom w3.94: v1(2415.35,2681.1) 2401.57,2667.32 2401.57,2636.44 2496.68,2541.34 3249.38,2541.34 3377.34,2669.29 3448.82,2669.29 v1(3462.6,2683.07)
TP_INT_L: J24.8 R46.1 | length 4861.2
  Top w3.94: R46.1@517.72,2952.76 517.72,2677.17 622.05,2572.83 2450.9,2572.83 2498.03,2619.96 v1(2498.03,2653.54) ; J24.8@4139.17,3320.08 4139.76,3319.49 v1(4139.76,3289.37) ; v1(4196.85,2791.34) 4328.74,2923.23 v1(4328.74,3139.76)
  Bottom w3.94: v1(2498.03,2653.54) 2498.03,2617.94 2519.51,2596.46 3226.55,2596.46 3378.13,2748.03 3791.34,2748.03 3807.09,2763.78 3885.83,2763.78 3913.39,2791.34 v1(4196.85,2791.34) ; v1(4139.76,3289.37) 4179.13,3289.37 v1(4328.74,3139.76)
TP_INT_LCD: D15.1 RP1.2 U90074.25 | length 733.6
  Top w3.94: v1(1494.09,3196.85) 1494.09,3167.32 1519.69,3141.73 1519.69,3092.52 1527.56,3084.65 1594.49,3084.65 D15.1@1618.11,3061.02 1637.8,3041.34 1637.8,3000 1622.05,2984.25 1622.05,2951.76 RP1.2@1621.89,2951.6 ; v1(1783.46,3301.18) U90074.25@1783.46,3336.61
  Bottom w3.94: v1(1494.09,3196.85) 1507.87,3210.63 1702.76,3210.63 1748.03,3255.91 1748.03,3269.68 1759.84,3281.5 1775.59,3281.5 1783.46,3289.37 v1(1783.46,3301.18)